# Allegro board 038NC-GRIFFI-V9A_16_20260429.brd (continued)
## Nets (continued)
2 5 6 7; UNK11K12 2 5 7; UNK11K13 7; UNK11K14 7; UNK11U1 1 3 5 7 8; UNK12K1 2 5 6 7; UNK12K2 2 5 6 7; UNK12K3 5 6 7; UNK12K4 5 6 7; UNK12K5 2 5 6 7; UNK12K6 2 5 6 7; UNK12K7 2 5 6 7; UNK12K8 2 7; UNK12K9 2 7; UNK12K10 4 5; UNK12K11 2 5 6 7; UNK12K12 2 5 7; UNK12K13 7; UNK12K14 7; UNK12U1 1 3 5 7 8; UNK13K1 2 5 6 7; UNK13K2 2 5 6 7; UNK13K3 5 6 7; UNK13K4 5 6 7; UNK13K5 2 5 6 7; UNK13K6 2 5 6 7; UNK13K7 2 5 6 7; UNK13K8 2 7; UNK13K9 2 7; UNK13K10 4 5; UNK13K11 2 5 6 7; UNK13K12 2 5 7; UNK13K13 7; UNK13K14 7; UNK13U1 1 3 5 7 8; UNK14K1 2 5 6 7; UNK14K2 2 5 6 7; UNK14K3 5 6 7; UNK14K4 5 6 7; UNK14K5 2 5 6 7; UNK14K6 2 5 6 7; UNK14K7 2 5 6 7; UNK14K8 2 7; UNK14K9 2 7; UNK14K10 4 5; UNK14K11 2 5 6 7; UNK14K12 2 5 7; UNK14K13 7; UNK14K14 7; UNK14U1 1 3 5 7 8; UNK15K1 2 5 6 7; UNK15K2 2 5 6 7; UNK15K3 5 6 7; UNK15K4 5 6 7; UNK15K5 2 5 6 7; UNK15K6 2 5 6 7; UNK15K7 2 5 6 7; UNK15K8 2 7; UNK15K9 2 7; UNK15K10 4 5; UNK15K11 2 5 6 7; UNK15K12 2 5 7; UNK15K13 7; UNK15K14 7; UNK15U1 1 3 5 7 8; UNK16K1 2 5 6 7; UNK16K2 2 5 6 7; UNK16K3 5 6 7; UNK16K4 5 6 7; UNK16K5 2 5 6 7; UNK16K6 2 5 6 7; UNK16K7 2 5 6 7; UNK16K8 2 7; UNK16K9 2 7; UNK16K10 4 5; UNK16K11 2 5 6 7; UNK16K12 2 5 7; UNK16K13 7; UNK16K14 7; UNK16U1 1 3 5 7 8; UNK038NC-GRIFFI18R-A100 1; UNK730-03146-001_FP-ATE 1; UNK980NC-GRIFFI-1C4 1; UNK* 1; UNK*#2 1

## Via types
v1: diameter 0.61, hole 0.305, TOP to BOTTOM, 1619 vias
v2: diameter 8.5, hole 6.401, TOP to BOTTOM, 1 via
v3: diameter 0.305, hole 0.152, TOP to BOTTOM, 248 vias

## Routing (per net, layer and track width the routed paths; a pad name or vN(x,y) marks a point on that pad's centre or on a via; arc(x,y) is an arc through that point)
+15V:
  vias: v1(128.57,120.65) v1(133.3,120.65) v1(142.22,125.73) v1(146.03,119.76)
-15V:
  vias: v1(31.36,110.11) v1(47.14,115.57) v1(49.96,110.11)
DGND:
  vias: v1(14.26,306.08) v1(16.47,236.67) v1(17.01,261.49) v1(17.01,201.49) v1(17.15,123.4) v1(19.36,143.34) v1(19.67,236.67) v1(21.62,271.3) v1(21.62,269.82) v1(21.62,266.86) v1(21.62,265.38) v1(21.62,211.3) v1(21.62,209.82) v1(21.62,206.86) v1(21.62,205.38) v1(21.8,166.7) v1(22.23,104.75) v1(23.93,192.05) v1(24.54,274.78) v1(24.54,214.78) v1(26.02,274.78) v1(26.02,214.78) v1(26.98,144.14) v1(27.13,237.76) v1(27.31,123.4) v1(27.5,274.78) v1(27.5,214.78) v1(28.99,274.78) v1(28.99,214.78) v1(29.26,300.68) v1(29.26,172.3) v1(29.52,236.67) v1(29.63,192.05) v1(30.99,333.04) v1(31.9,236.45) v1(31.92,176.51) v1(31.95,274.78) v1(31.95,214.78) v1(32.41,295.41) v1(33.43,274.78) v1(33.43,214.78) v1(34.91,274.78) v1(34.91,214.78) v1(36.35,269.77) v1(36.35,268.29) v1(36.35,266.81) v1(36.35,209.77) v1(36.35,208.29) v1(36.35,206.81) v1(36.73,308.28) v1(37.09,178.21) v1(38.61,333.84) v1(38.8,236.11) v1(39.3,295.07) v1(40.36,178.21) v1(42.6,238.65) v1(42.6,237.13) v1(43.1,297.61) v1(43.1,296.09) v1(44.26,306.08) v1(44.26,240.57) v1(44.26,168.9) v1(46.47,236.67) v1(47.01,261.49) v1(47.01,201.49) v1(49.36,143.34) v1(49.67,236.67) v1(51.62,271.3) v1(51.62,269.82) v1(51.62,266.86) v1(51.62,265.38) v1(51.62,211.3) v1(51.62,209.82) v1(51.62,206.86) v1(51.62,205.38) v1(51.8,166.7) v1(53.93,192.05) v1(54.54,274.78) v1(54.54,214.78) v1(56.02,274.78) v1(56.02,214.78) v1(55.99,106.51) v1(55.99,104.88) v1(55.99,103.28) v1(55.99,101.68) v1(56.98,144.14) v1(57.5,274.78) v1(57.5,214.78) v1(58.99,274.78) v1(58.99,214.78) v1(59.12,104.91) v1(59.12,103.28) v1(59.12,101.68) v1(59.26,300.68) v1(59.26,172.3) v1(59.63,192.05) v1(60.99,333.04) v1(60.97,104.91) v1(61.92,176.51) v1(61.95,274.78) v1(61.95,214.78) v1(62.41,295.41) v1(63.02,111.58) v1(63.43,274.78) v1(63.43,214.78) v1(64.91,274.78) v1(64.91,214.78) v1(65.07,106.21) v1(65.07,105.56) v1(66.35,269.77) v1(66.35,268.29) v1(66.35,266.81) v1(66.35,209.77) v1(66.35,208.29) v1(66.35,206.81) v1(66.73,308.28) v1(67.09,178.21) v1(68.1,111.58) v1(68.1,106.5) v1(68.61,333.84) v1(69.3,295.07) v1(70.36,178.21) v1(71.76,109.18) v1(73.1,297.61) v1(73.1,296.09) v1(74.26,306.08) v1(74.26,168.9) v1(76.51,109.59) v1(77.01,261.49) v1(77.01,201.49) v1(77.26,105.41) v1(79.36,143.34) v1(81.62,271.3) v1(81.62,269.82) v1(81.62,266.86) v1(81.62,265.38) v1(81.62,211.3) v1(81.62,209.82) v1(81.62,206.86) v1(81.62,205.38) v1(81.8,166.7) v1(82.68,111.25) v1(83.93,192.05) v1(84.54,274.78) v1(84.54,214.78) v1(86.02,274.78) v1(86.02,214.78) v1(86.98,144.14) v1(87.5,274.78) v1(87.5,214.78) v1(88.99,274.78) v1(88.99,214.78) v1(89.26,300.68) v1(89.26,172.3) v1(89.63,192.05) v1(90.99,333.04) v1(91.92,176.51) v1(91.95,274.78) v1(91.95,214.78) v1(92.41,295.41) v1(93.43,274.78) v1(93.43,214.78) v1(94.91,274.78) v1(94.91,214.78) v1(96.35,269.77) v1(96.35,268.29) v1(96.35,266.81) v1(96.35,209.77) v1(96.35,208.29) v1(96.35,206.81) v1(96.73,308.28) v1(97.09,178.21) v1(98.61,333.84) v1(99.3,295.07) v1(100.36,178.21) v1(103.1,297.61) v1(103.1,296.09) v1(104.26,306.08) v1(104.26,168.9) v1(107.01,261.49) v1(107.01,201.49) v1(109.36,143.34) v1(111.62,271.3) v1(111.62,269.82) v1(111.62,266.86) v1(111.62,265.38) v1(111.62,211.3) v1(111.62,209.82) v1(111.62,206.86) v1(111.62,205.38) v1(111.8,166.7) v1(113.93,192.05) v1(114.54,274.78) v1(114.54,214.78) v1(116.02,274.78) v1(116.02,214.78) v1(116.98,144.14) v1(117.5,274.78) v1(117.5,214.78) v1(118.99,274.78) v1(118.99,214.78) v1(119.26,300.68) v1(119.26,172.3) v1(119.63,192.05) v1(120.99,333.04) v1(121.92,176.51) v1(121.95,274.78) v1(121.95,214.78) v1(122.41,295.41) v1(123.43,274.78) v1(123.43,214.78) v1(124.91,274.78) v1(124.91,214.78) v1(126.35,269.77) v1(126.35,268.29) v1(126.35,266.81) v1(126.35,209.77) v1(126.35,208.29) v1(126.35,206.81) v1(126.4,111.65) v1(126.73,308.28) v1(127.09,178.21) v1(128.61,333.84) v1(128.73,111.38) v1(129.3,295.07) v1(130.36,178.21) v1(133.1,297.61) v1(133.1,296.09) v1(133.96,112.84) v1(133.96,111.38) v1(133.96,110.11) v1(133.96,108.65) v1(134.26,306.08) v1(134.26,168.9) v1(137.01,261.49) v1(137.01,201.49) v1(139.36,143.34) v1(141.62,271.3) v1(141.62,269.82) v1(141.62,266.86) v1(141.62,265.38) v1(141.62,211.3) v1(141.62,209.82) v1(141.62,206.86) v1(141.62,205.38) v1(141.8,166.7) v1(141.91,114.3) v1(141.91,110.49) v1(141.91,106.68) v1(141.91,102.87) v1(143.93,192.05) v1(144.54,274.78) v1(144.54,214.78) v1(146.02,274.78) v1(146.02,214.78) v1(146.98,144.14) v1(147.5,274.78) v1(147.5,214.78) v1(148.98,274.78) v1(148.98,214.78) v1(149.26,300.68) v1(149.26,172.3) v1(149.63,192.05) v1(150.99,333.04) v1(151.92,176.51) v1(151.95,274.78) v1(151.95,214.78) v1(152.41,295.41) v1(153.43,274.78) v1(153.43,214.78) v1(154.91,274.78) v1(154.91,214.78) v1(156.35,269.77) v1(156.35,268.29) v1(156.35,266.81) v1(156.35,209.77) v1(156.35,208.29) v1(156.35,206.81) v1(156.73,308.28) v1(156.86,116.33) v1(157.09,178.21) v1(158.61,333.84) v1(159.3,295.07) v1(160.36,178.21) v1(163.1,297.61) v1(163.1,296.09) v1(164.19,105.45) v1(164.26,306.08) v1(164.26,168.9) v1(167.01,261.49) v1(167.01,201.49) v1(169.36,143.34) v1(171.62,271.3) v1(171.62,269.82) v1(171.62,266.86) v1(171.62,265.38) v1(171.62,211.3) v1(171.62,209.82) v1(171.62,206.86) v1(171.62,205.38) v1(171.8,166.7) v1(173.36,104.32) v1(173.93,192.05) v1(174.54,274.78) v1(174.54,214.78) v1(176.02,274.78) v1(176.02,214.78) v1(176.98,144.14) v1(177.17,105.04) v1(177.5,274.78) v1(177.5,214.78) v1(178.98,274.78) v1(178.98,214.78) v1(179.26,300.68) v1(179.26,172.3) v1(179.63,192.05) v1(180.99,333.04) v1(181.92,176.51) v1(181.95,274.78) v1(181.95,214.78) v1(182.41,295.41) v1(183.43,274.78) v1(183.43,214.78) v1(184.91,274.78) v1(184.91,214.78) v1(186.32,105.63) v1(186.35,269.77) v1(186.35,268.29) v1(186.35,266.81) v1(186.35,209.77) v1(186.35,208.29) v1(186.35,206.81) v1(186.73,308.28) v1(187.09,178.21) v1(188.61,333.84) v1(189.3,295.07) v1(190.36,178.21) v1(192.38,113.28) v1(193.1,297.61) v1(193.1,296.09) v1(194.26,306.08) v1(194.26,168.9) v1(197.01,261.49) v1(197.01,201.49) v1(199.36,143.34) v1(201.62,271.3) v1(201.62,269.82) v1(201.62,266.86) v1(201.62,265.38) v1(201.62,211.3) v1(201.62,209.82) v1(201.62,206.86) v1(201.62,205.38) v1(201.8,166.7) v1(203.93,192.05) v1(204.54,274.78) v1(204.54,214.78) v1(206.02,274.78) v1(206.02,214.78) v1(206.98,144.14) v1(207.5,274.78) v1(207.5,214.78) v1(208.98,274.78) v1(208.98,214.78) v1(209.26,300.68) v1(209.26,172.3) v1(209.63,192.05) v1(210.99,333.04) v1(211.91,176.51) v1(211.95,274.78) v1(211.95,214.78) v1(212.41,295.41) v1(213.43,274.78) v1(213.43,214.78) v1(214.91,274.78) v1(214.91,214.78) v1(216.35,269.77) v1(216.35,268.29) v1(216.35,266.81) v1(216.35,209.77) v1(216.35,208.29) v1(216.35,206.81) v1(216.73,308.28) v1(217.09,178.21) v1(218.61,333.84) v1(219.3,295.07) v1(220.36,178.21) v1(223.1,297.61) v1(223.1,296.09) v1(224.26,306.08) v1(224.26,168.9) v1(227.01,261.49) v1(227.01,201.49) v1(229.36,143.34) v1(231.62,271.3) v1(231.62,269.82) v1(231.62,266.86) v1(231.62,265.38) v1(231.62,211.3) v1(231.62,209.82) v1(231.62,206.86) v1(231.62,205.38) v1(231.8,166.7) v1(233.93,192.05) v1(234.54,274.78) v1(234.54,214.78) v1(236.02,274.78) v1(236.02,214.78) v1(236.98,144.14) v1(237.5,274.78) v1(237.5,214.78) v1(238.98,274.78) v1(238.98,214.78) v1(239.26,300.68) v1(239.26,172.3) v1(239.63,192.05) v1(240.99,333.04) v1(241.91,176.51) v1(241.95,274.78) v1(241.95,214.78) v1(242.41,295.41) v1(243.43,274.78) v1(243.43,214.78) v1(244.91,274.78) v1(244.91,214.78) v1(246.35,269.77) v1(246.35,268.29) v1(246.35,266.81) v1(246.35,209.77) v1(246.35,208.29) v1(246.35,206.81) v1(246.73,308.28) v1(247.09,178.21) v1(248.61,333.84) v1(249.3,295.07) v1(250.36,178.21) v1(253.1,297.61) v1(253.1,296.09) v1(254.26,168.9) v3(27.36,267.89) v3(27.36,207.89) v3(29.39,269.12) v3(29.39,209.12) v3(57.36,267.89) v3(57.36,207.89) v3(59.39,269.12) v3(59.39,209.12) v3(87.36,267.89) v3(87.36,207.89) v3(89.39,269.12) v3(89.39,209.12) v3(117.36,267.89) v3(117.36,207.89) v3(119.39,269.12) v3(119.39,209.12) v3(147.36,267.89) v3(147.36,207.89) v3(149.39,269.12) v3(149.39,209.12) v3(177.36,267.89) v3(177.36,207.89) v3(179.38,269.12) v3(179.38,209.12) v3(207.36,267.89) v3(207.36,207.89) v3(209.38,269.12) v3(209.38,209.12) v3(237.36,267.89) v3(237.36,207.89) v3(239.38,269.12) v3(239.38,209.12)
P5V1:
  vias: v1(75.57,109.59) v1(77.46,112.54) v1(77.46,109.59) v1(85.73,116.29)
P15V1:
  vias: v1(153.43,119.76) v1(156.86,119.76) v1(169.27,109.58) v1(169.27,105.45)
GX1X_577_3-1: length 37.1
  L07_SIGNAL w0.076: 149.97,345.77 149.97,329.41 151.39,327.99 UNK9K4.4
GX1X_578_3-2: length 103.6
  TOP w0.152: SITE9.S13 SITE9.F13 149.79,263.31 v1(151.52,261.57)
  L05_SIGNAL w0.076: v1(151.52,261.57) 152.19,262.23 156.22,262.23 157.26,263.27 157.26,269.93 156.3,270.89 154.11,270.89 152.61,272.39 152.61,276.43 150.17,278.87 150.17,293.29 147.53,295.94 v1(146.73,295.94)
  L26_SIGNAL w0.076: v1(146.73,295.94) 145.17,297.5 145.17,348.65
GX1X_579_3-3: length 102.6
  TOP w0.152: v1(150.25,261.57) 149.39,262.44 SITE9.F12 SITE9.S12
  L05_SIGNAL w0.076: v1(150.25,261.57) 150.25,260.93 150.84,260.35 155.61,260.35 158.28,263.02 158.28,273.53 153.17,278.64 153.17,295.55 150.24,298.48 v1(149.27,298.48)
  L07_SIGNAL w0.076: v1(149.27,298.48) 148.45,299.31 148.45,328.12 147.28,329.29 147.28,345.85
GX1X_580_3-4: length 105.1
  TOP w0.152: SITE9.S11 SITE9.F11 v1(148.98,261.57)
  L05_SIGNAL w0.076: v1(149.27,295.94) 150.09,295.94 152.66,293.37 152.66,278.41 157.9,273.18 157.9,263.27 155.41,260.78 151.22,260.78 150.91,261.09 150.91,261.95 150.51,262.36 149.78,262.36 v1(148.98,261.57)
  L30_SIGNAL w0.076: v1(149.27,295.94) 150.02,296.69 150.02,348.26
GX1X_581_3-5: length 103.4
  TOP w0.152: SITE9.S10 SITE9.F10 148.58,262.44 v1(147.71,261.57)
  L05_SIGNAL w0.076: v1(136.57,298.48) 135.54,297.46 135.54,295.3 137.6,293.24 137.6,284.78 142.71,279.68 142.71,274.85 139.84,271.98 139.84,263.04 142.83,260.05 146.39,260.05 147.71,261.37 v1(147.71,261.57)
  L24_SIGNAL w0.076: v1(136.57,298.48) 135.21,299.84 135.21,346.77
GX1X_582_3-6: length 102.2
  TOP w0.152: SITE9.S9 SITE9.F9 148.18,263.31 v1(146.44,261.57)
  L05_SIGNAL w0.076: v1(146.44,261.57) 145.76,260.88 143.49,260.88 140.88,263.5 140.88,271.96 143.34,274.42 143.34,279.73 138.44,284.63 138.44,294.08 v1(136.57,295.94)
  L26_SIGNAL w0.076: v1(136.57,295.94) 135.16,297.35 135.16,349.29
GX1X_583_3-7: length 84
  L30_SIGNAL w0.076: 145.43,348.26 145.43,276.89 141.39,272.85 137.58,272.85 136.19,271.46 UNK9K3.4
GX1X_584_3-8: length 93.8
  TOP w0.152: SITE9.F6 145.36,266.69 v1(142.63,263.96)
  L05_SIGNAL w0.076: v1(142.63,263.96) 142.68,263.96 146.19,267.46 146.19,272.52 145.09,273.61 145.09,285.55 142.66,287.99 142.66,296.19 140.36,298.48 v1(139.11,298.48)
  L24_SIGNAL w0.076: v1(139.11,298.48) 138.16,299.44 138.16,346.75
GX1X_585_3-9: length 92.7
  L05_SIGNAL w0.076: v3(147.36,266.69) 147.36,265.61 145.15,263.4 142.12,263.4 141.72,263.8 141.72,264.36 142.15,264.8 142.81,264.8 144.05,266.04 144.05,280.19 141.41,282.83 141.41,293.64 v1(139.11,295.94)
  L28_SIGNAL w0.076: 138.03,344.87 138.03,297.02 v1(139.11,295.94)
GX1X_586_3-10: length 4
  L03_SIGNAL w0.076: v1(143.37,340.62) 143.37,344.58
GX1X_587_3-11: length 4
  L03_SIGNAL w0.076: v1(145.91,340.62) 145.91,344.58
GX1X_588_3-12: length 100.8
  TOP w0.152: SITE9.S2 SITE9.F2 144.6,268.29 143.8,269.09 141.01,269.09 140.14,269.95 140.14,273.13 139.61,273.66 134.63,273.66 v1(133.84,274.45)
  L30_SIGNAL w0.076: v1(133.84,274.45) 135.77,274.45 136.64,273.58 141.18,273.58 142.3,274.7 142.3,348.26
GX1X_589_3-13: length 56.9
  L28_SIGNAL w0.076: 135.14,344.46 135.14,289.47 UNK9TP_NPG/ATB1_G.1
GX1X_590_3-14: length 57.5
  L28_SIGNAL w0.076: UNK9TP_NCHG/ATB0_G.1 142.45,289.62 142.45,344.99
GX1X_591_3-15: length 4
  L03_SIGNAL w0.076: v1(148.45,340.62) 148.45,344.58
GX1X_592_3-16: length 7.6
  L05_SIGNAL w0.076: v1(150.99,340.62) 150.99,348.23
GX1X_593_3-17: length 98.8
  TOP w0.152: SITE9.S18 SITE9.F18 153.25,267.49 v1(155.36,265.38)
  L05_SIGNAL w0.076: v1(155.36,265.38) 156.3,264.44 156.3,263.91 155.79,263.4 154.65,263.4 152.05,265.99 152.05,269.85 148.22,273.69 148.22,274.9 145.81,277.32 145.81,292.58 143.47,294.92 143.47,297.76 v1(144.19,298.48)
  L24_SIGNAL w0.076: 142.63,347.26 142.63,300.04 v1(144.19,298.48)
GX1X_594_3-18: length 96.9
  TOP w0.152: v1(155.36,264.11) 152.38,267.09 SITE9.F17 SITE9.S17
  L05_SIGNAL w0.076: v1(155.36,264.11) 152.89,266.57 152.89,270.03 149.57,273.35 149.57,275.11 148.36,276.31 148.36,292.82 146.77,294.41 145.72,294.41 v1(144.19,295.94)
  L26_SIGNAL w0.076: 142.55,349.16 142.55,297.58 v1(144.19,295.94)
GX1X_595_3-19: length 97.9
  TOP w0.152: v1(155.36,262.84) 151.51,266.69 SITE9.F16 SITE9.S16
  L05_SIGNAL w0.076: v1(155.36,262.84) 156.07,262.84 156.75,263.53 156.75,265.18 155.97,265.96 154.77,265.96 153.81,266.93 153.81,270.03 151.22,272.62 151.22,274.78 149.26,276.73 149.26,292.99 147.33,294.92 145.96,294.92 145.53,295.35 145.53,297.28 v1(146.73,298.48)
  L07_SIGNAL w0.076: 144.59,345.87 144.59,328.65 145.55,327.69 145.55,299.66 v1(146.73,298.48)
GX1X_596_3-20: length 16.8
  TOP w0.152: UNK9SH40.1 v1(134.38,332.59)
  L05_SIGNAL w0.076: v1(134.38,332.59) 134.38,348.23
GX1X_597_3-21: length 16.8
  TOP w0.152: UNK9SH41.1 v1(141.77,332.59)
  L05_SIGNAL w0.076: v1(141.77,332.59) 141.77,348.23
GX1X_601_3-25: length 37.1
  L07_SIGNAL w0.076: UNK11K4.4 181.39,327.99 179.97,329.41 179.97,345.77
GX1X_602_3-26: length 103.6
  TOP w0.152: SITE11.S13 SITE11.F13 179.79,263.31 v1(181.52,261.57)
  L05_SIGNAL w0.076: v1(176.73,295.94) 177.53,295.94 180.17,293.29 180.17,278.87 182.61,276.43 182.61,272.39 184.11,270.89 186.3,270.89 187.26,269.93 187.26,263.27 186.22,262.23 182.19,262.23 v1(181.52,261.57)
  L26_SIGNAL w0.076: 175.17,348.65 175.17,297.5 v1(176.73,295.94)
GX1X_603_3-27: length 102.6
  TOP w0.152: v1(180.25,261.57) 179.38,262.44 SITE11.F12 SITE11.S12
  L05_SIGNAL w0.076: v1(179.27,298.48) 180.24,298.48 183.17,295.55 183.17,278.64 188.28,273.53 188.28,263.02 185.61,260.35 180.84,260.35 180.25,260.93 v1(180.25,261.57)
  L07_SIGNAL w0.076: 177.28,345.85 177.28,329.29 178.45,328.12 178.45,299.31 v1(179.27,298.48)
GX1X_604_3-28: length 105.1
  TOP w0.152: v1(178.98,261.57) SITE11.F11 SITE11.S11
  L05_SIGNAL w0.076: v1(179.27,295.94) 180.09,295.94 182.66,293.37 182.66,278.41 187.9,273.18 187.9,263.27 185.41,260.78 181.22,260.78 180.91,261.09 180.91,261.95 180.51,262.36 179.78,262.36 v1(178.98,261.57)
  L30_SIGNAL w0.076: v1(179.27,295.94) 180.02,296.69 180.02,348.26
GX1X_605_3-29: length 103.4
  TOP w0.152: SITE11.S10 SITE11.F10 178.58,262.44 v1(177.71,261.57)
  L05_SIGNAL w0.076: v1(177.71,261.57) 177.71,261.37 176.39,260.05 172.83,260.05 169.84,263.04 169.84,271.98 172.71,274.85 172.71,279.68 167.6,284.78 167.6,293.24 165.54,295.3 165.54,297.46 v1(166.57,298.48)
  L24_SIGNAL w0.076: 165.21,346.77 165.21,299.84 v1(166.57,298.48)
GX1X_606_3-30: length 102.2
  TOP w0.152: SITE11.S9 SITE11.F9 178.18,263.31 v1(176.44,261.57)
  L05_SIGNAL w0.076: v1(166.57,295.94) 168.44,294.08 168.44,284.63 173.34,279.73 173.34,274.42 170.88,271.96 170.88,263.5 173.49,260.88 175.76,260.88 v1(176.44,261.57)
  L26_SIGNAL w0.076: 165.16,349.29 165.16,297.35 v1(166.57,295.94)
GX1X_607_3-31: length 84
  L30_SIGNAL w0.076: UNK11K3.4 166.19,271.46 167.58,272.85 171.39,272.85 175.43,276.89 175.43,348.26
GX1X_608_3-32: length 93.8
  TOP w0.152: SITE11.F6 175.36,266.69 v1(172.63,263.96)
  L05_SIGNAL w0.076: v1(172.63,263.96) 172.68,263.96 176.19,267.46 176.19,272.52 175.09,273.61 175.09,285.55 172.66,287.99 172.66,296.19 170.36,298.48 v1(169.11,298.48)
  L24_SIGNAL w0.076: 168.16,346.75 168.16,299.44 v1(169.11,298.48)
GX1X_609_3-33: length 92.7
  L05_SIGNAL w0.076: v1(169.11,295.94) 171.41,293.64 171.41,282.83 174.05,280.19 174.05,266.04 172.81,264.8 172.15,264.8 171.72,264.36 171.72,263.8 172.12,263.4 175.15,263.4 177.36,265.61 v3(177.36,266.69)
  L28_SIGNAL w0.076: 168.03,344.87 168.03,297.02 v1(169.11,295.94)
GX1X_610_3-34: length 3.1
  L03_SIGNAL w0.076: v1(173.37,340.62) 173.37,343.75
GX1X_611_3-35: length 3.1
  L03_SIGNAL w0.076: v1(175.91,340.62) 175.91,343.75
GX1X_612_3-36: length 100.8
  TOP w0.152: SITE11.S2 SITE11.F2 174.6,268.29 173.8,269.09 171.01,269.09 170.14,269.95 170.14,273.13 169.61,273.66 164.63,273.66 v1(163.84,274.45)
  L30_SIGNAL w0.076: 172.3,348.26 172.3,274.7 171.18,273.58 166.64,273.58 165.77,274.45 v1(163.84,274.45)
GX1X_613_3-37: length 56.9
  L28_SIGNAL w0.076: UNK11TP_NPG/ATB1_G.1 165.14,289.47 165.14,344.46
GX1X_614_3-38: length 57.5
  L28_SIGNAL w0.076: UNK11TP_NCHG/ATB0_G.1 172.45,289.62 172.45,344.99
GX1X_615_3-39: length 3.1
  L03_SIGNAL w0.076: v1(178.45,340.62) 178.45,343.75
GX1X_616_3-40: length 7.6
  L05_SIGNAL w0.076: v1(180.99,340.62) 180.99,348.23
GX1X_617_3-41: length 98.8
  TOP w0.152: SITE11.S18 SITE11.F18 183.25,267.49 v1(185.36,265.38)
  L05_SIGNAL w0.076: v1(174.19,298.48) 173.47,297.76 173.47,294.92 175.81,292.58 175.81,277.32 178.22,274.9 178.22,273.69 182.05,269.85 182.05,265.99 184.65,263.4 185.79,263.4 186.3,263.91 186.3,264.44 v1(185.36,265.38)
  L24_SIGNAL w0.076: 172.63,347.26 172.63,300.04 v1(174.19,298.48)
GX1X_618_3-42: length 96.9
  TOP w0.152: SITE11.S17 SITE11.F17 182.38,267.09 v1(185.36,264.11)
  L05_SIGNAL w0.076: v1(185.36,264.11) 182.89,266.57 182.89,270.03 179.57,273.35 179.57,275.11 178.36,276.31 178.36,292.82 176.77,294.41 175.72,294.41 v1(174.19,295.94)
  L26_SIGNAL w0.076: 172.55,349.16 172.55,297.58 v1(174.19,295.94)
GX1X_619_3-43: length 97.9
  TOP w0.152: v1(185.36,262.84) 181.51,266.69 SITE11.F16 SITE11.S16
  L05_SIGNAL w0.076: v1(176.73,298.48) 175.53,297.28 175.53,295.35 175.96,294.92 177.33,294.92 179.26,292.99 179.26,276.73 181.22,274.78 181.22,272.62 183.81,270.03 183.81,266.93 184.77,265.96 185.97,265.96 186.75,265.18 186.75,263.53 186.07,262.84 v1(185.36,262.84)
  L07_SIGNAL w0.076: 174.59,345.87 174.59,328.65 175.55,327.69 175.55,299.66 v1(176.73,298.48)
GX1X_620_3-44: length 16.8
  TOP w0.152: UNK11SH40.1 v1(164.38,332.59)
  L05_SIGNAL w0.076: v1(164.38,332.59) 164.38,348.23
GX1X_621_3-45: length 16.8
  TOP w0.152: UNK11SH41.1 v1(171.76,332.59)
  L05_SIGNAL w0.076: v1(171.76,332.59) 171.76,348.23
GX1X_625_3-49: length 37.1
  L07_SIGNAL w0.076: 209.97,345.77 209.97,329.41 211.39,327.99 UNK13K4.4
GX1X_626_3-50: length 103.6
  TOP w0.152: SITE13.S13 SITE13.F13 209.78,263.31 v1(211.52,261.57)
  L05_SIGNAL w0.076: v1(211.52,261.57) 212.19,262.23 216.22,262.23 217.26,263.27 217.26,269.93 216.3,270.89 214.11,270.89 212.61,272.39 212.61,276.43 210.17,278.87 210.17,293.29 207.53,295.94 v1(206.73,295.94)
  L26_SIGNAL w0.076: v1(206.73,295.94) 205.17,297.5 205.17,348.65
GX1X_627_3-51: length 102.6
  TOP w0.152: SITE13.S12 SITE13.F12 209.38,262.44 v1(210.25,261.57)
  L05_SIGNAL w0.076: v1(210.25,261.57) 210.25,260.93 210.84,260.35 215.61,260.35 218.28,263.02 218.28,273.53 213.17,278.64 213.17,295.55 210.24,298.48 v1(209.27,298.48)
  L07_SIGNAL w0.076: 207.28,345.85 207.28,329.29 208.45,328.12 208.45,299.31 v1(209.27,298.48)
GX1X_628_3-52: length 105.1
  TOP w0.152: SITE13.S11 SITE13.F11 v1(208.98,261.57)
  L05_SIGNAL w0.076: v1(208.98,261.57) 209.78,262.36 210.51,262.36 210.91,261.95 210.91,261.09 211.22,260.78 215.41,260.78 217.9,263.27 217.9,273.18 212.66,278.41 212.66,293.37 210.09,295.94 v1(209.27,295.94)
  L30_SIGNAL w0.076: v1(209.27,295.94) 210.02,296.69 210.02,348.26
GX1X_629_3-53: length 103.4
  TOP w0.152: SITE13.S10 SITE13.F10 208.58,262.44 v1(207.71,261.57)
  L05_SIGNAL w0.076: v1(207.71,261.57) 207.71,261.37 206.39,260.05 202.83,260.05 199.84,263.04 199.84,271.98 202.71,274.85 202.71,279.68 197.6,284.78 197.6,293.24 195.54,295.3 195.54,297.46 v1(196.57,298.48)
  L24_SIGNAL w0.076: v1(196.57,298.48) 195.21,299.84 195.21,346.77
GX1X_630_3-54: length 102.2
  TOP w0.152: v1(206.44,261.57) 208.18,263.31 SITE13.F9 SITE13.S9
  L05_SIGNAL w0.076: v1(196.57,295.94) 198.44,294.08 198.44,284.63 203.34,279.73 203.34,274.42 200.88,271.96 200.88,263.5 203.49,260.88 205.76,260.88 v1(206.44,261.57)
  L26_SIGNAL w0.076: 195.16,349.29 195.16,297.35 v1(196.57,295.94)
GX1X_631_3-55: length 84
  L30_SIGNAL w0.076: UNK13K3.4 196.19,271.46 197.58,272.85 201.39,272.85 205.43,276.89 205.43,348.26
GX1X_632_3-56: length 93.8
  TOP w0.152: SITE13.F6 205.36,266.69 v1(202.63,263.96)
  L05_SIGNAL w0.076: v1(199.11,298.48) 200.36,298.48 202.66,296.19 202.66,287.99 205.09,285.55 205.09,273.61 206.19,272.52 206.19,267.46 202.68,263.96 v1(202.63,263.96)
  L24_SIGNAL w0.076: v1(199.11,298.48) 198.16,299.44 198.16,346.75
GX1X_633_3-57: length 92.7
  L05_SIGNAL w0.076: v1(199.11,295.94) 201.41,293.64 201.41,282.83 204.05,280.19 204.05,266.04 202.81,264.8 202.15,264.8 201.72,264.36 201.72,263.8 202.12,263.4 205.15,263.4 207.36,265.61 v3(207.36,266.69)
  L28_SIGNAL w0.076: 198.03,344.87 198.03,297.02 v1(199.11,295.94)
GX1X_634_3-58: length 3.2
  L03_SIGNAL w0.076: v1(203.37,340.62) 203.37,343.79
GX1X_635_3-59: length 3.2
  L03_SIGNAL w0.076: v1(205.91,340.62) 205.91,343.79
GX1X_636_3-60: length 100.8
  TOP w0.152: SITE13.S2 SITE13.F2 204.6,268.29 203.8,269.09 201.01,269.09 200.14,269.95 200.14,273.13 199.61,273.66 194.63,273.66 v1(193.84,274.45)
  L30_SIGNAL w0.076: 202.3,348.26 202.3,274.7 201.18,273.58 196.64,273.58 195.77,274.45 v1(193.84,274.45)
GX1X_637_3-61: length 56.9
  L28_SIGNAL w0.076: UNK13TP_NPG/ATB1_G.1 195.14,289.47 195.14,344.46
GX1X_638_3-62: length 57.5
  L28_SIGNAL w0.076: 202.45,344.99 202.45,289.62 UNK13TP_NCHG/ATB0_G.1
GX1X_639_3-63: length 3.2
  L03_SIGNAL w0.076: v1(208.45,340.62) 208.45,343.79
GX1X_640_3-64: length 7.6
  L05_SIGNAL w0.076: v1(210.99,340.62) 210.99,348.23
